# Altium PCB ACF_Out-v2.0.PcbDoc (part 1 of 2) (continued)
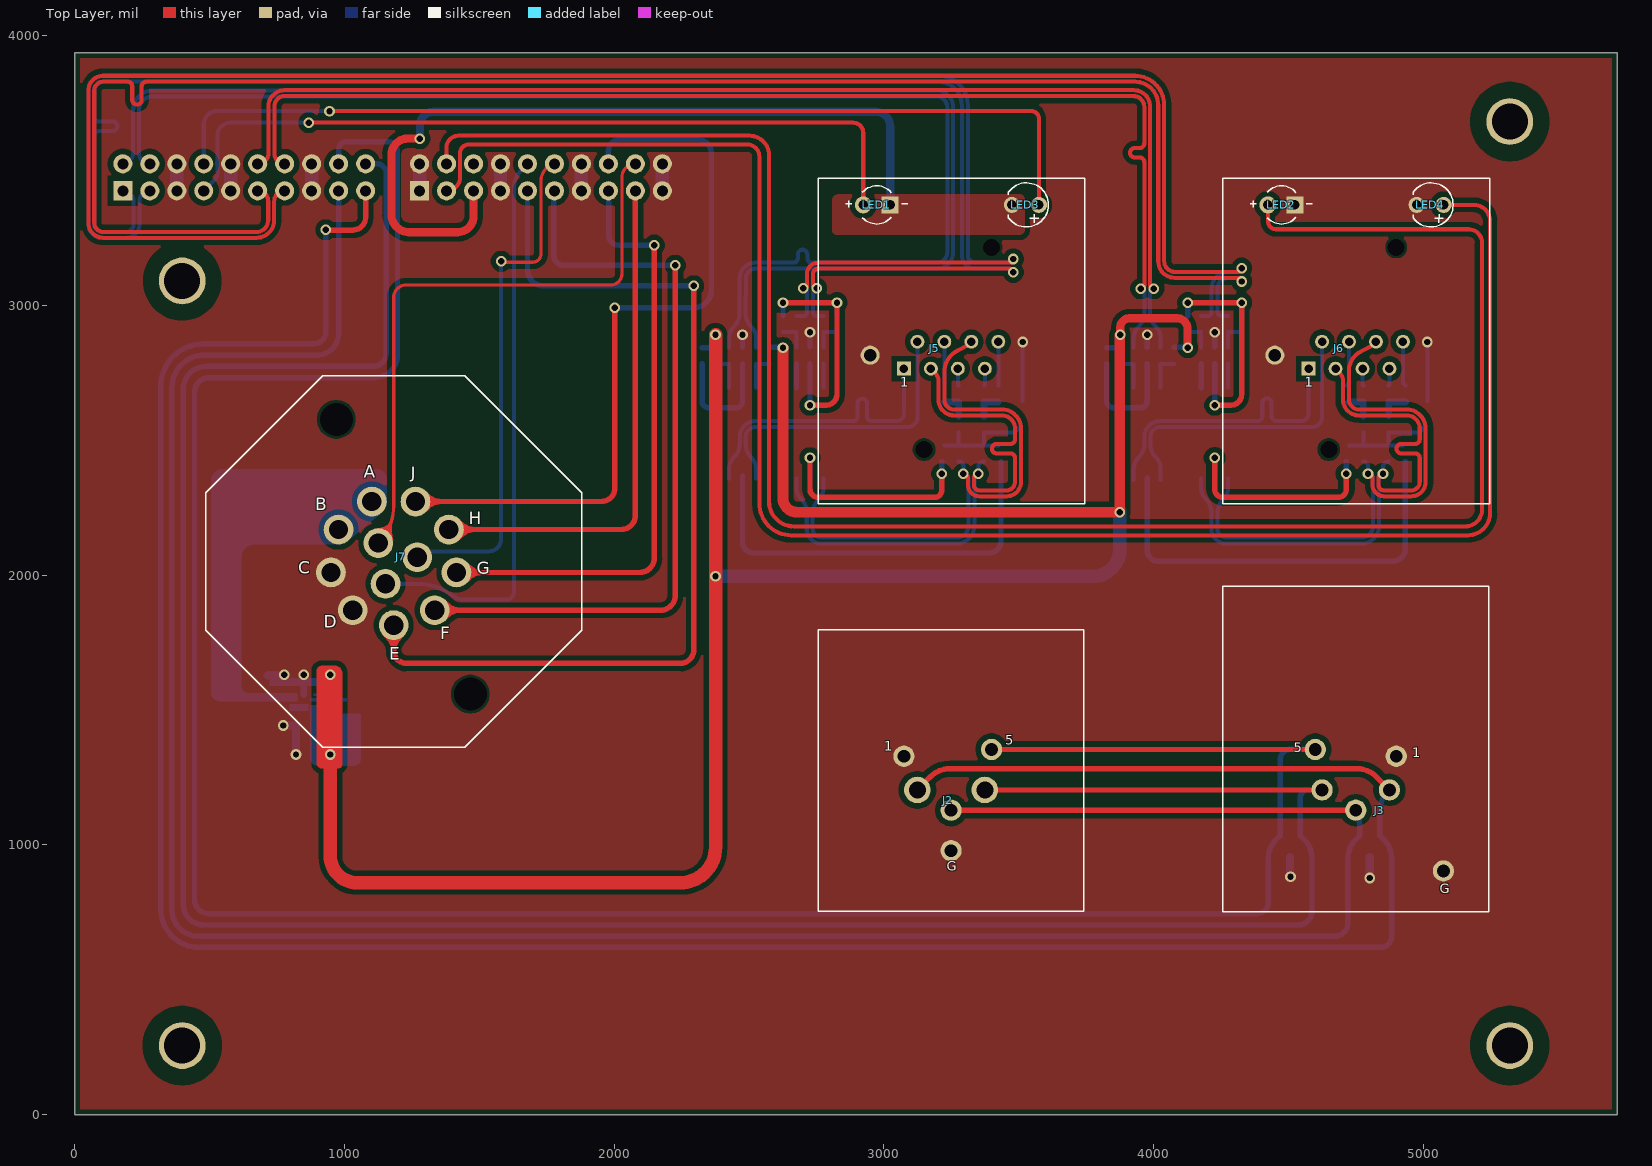
[diagram p0: Top Layer view]
## Part data (continued)
C6 C11: library part CC1206KKX7RCBB472, "CAP CER 4700PF 1KV X7R 1206", Case Code (Imperial)=1206, Case Code (Metric)=3216, Dielectric=X7R, Dielectric Material=Ceramic, LCSC Part Number=C107198, Manufacturer=Yageo, Max Operating Temperature=125°C, Min Operating Temperature=-55°C, Supplier Part Number 1=7130131, Tolerance=10%, Voltage Rating=1kV, Capacitance=4.7nF, Case/Package=1206, Category="Ceramic Capacitors", ComponentLink1Description=https://datasheet.ciiva.com/13208/upy-gp-np0-16v-to-50v-8-13208693.pdf?src-supplier=Mouser, ComponentLink1URL=https://datasheet.ciiva.com/13208/upy-gp-np0-16v-to-50v-8-13208693.pdf?src-supplier=Mouser, ComponentLink2Description=https://datasheet.ciiva.com/11466/hv-11466701.pdf?src-supplier=Avnet, ComponentLink2URL=https://datasheet.ciiva.com/11466/hv-11466701.pdf?src-supplier=Avnet, Depth=1.6mm, Item Type=Capacitor, Lead Free="Lead Free", Length=3.2mm, Manufacturer Part Number=CC1206KKX7RCBB472, Mount="Surface Mount", Number of Pins=2, Packaging="Tape and Reel", Pricing 1="3000=0.02860, 9000=0.02750, 15000=0.02700, 45000=0.02600, 75000=0.02510 (USD)", Radiation Hardening=No, Resistor Type=Ceramic, RoHS=Yes, RoHS Compliant=Yes, Series=CC, Stock 1=180000, Supplier 1="Future Electronics", Termination=SMD/SMT, Thickness=0.057inch, Voltage Rating (DC)=1kV, Weight=0.000571oz, Width=0.063inch
C7 C12: library part CC0603KRX7R0BB103, "CAP CER 10000PF 100V X7R 0603", Case Code (Imperial)=0603, Case Code (Metric)=1608, Dielectric=X7R, Dielectric Material=Ceramic, LCSC Part Number=C107059, Manufacturer=Yageo, Max Operating Temperature=125°C, Min Operating Temperature=-55°C, Package Quantity=4000, Tolerance=10%, Voltage Rating=100V, Case/Package=0603, ComponentLink1Description=https://datasheet.ciiva.com/8033/1669968-8033774.pdf?src-supplier=Element14, ComponentLink1URL=https://datasheet.ciiva.com/8033/1669968-8033774.pdf?src-supplier=Element14, ComponentLink2Description=https://datasheet.ciiva.com/13389/upy-gphc-x7r-6-3v-to-50v-8-13389353.pdf?src-supplier=Mouser, ComponentLink2URL=https://datasheet.ciiva.com/13389/upy-gphc-x7r-6-3v-to-50v-8-13389353.pdf?src-supplier=Mouser, ComponentLink3Description=https://datasheet.ciiva.com/17458/upy-np0x7r-mv-100-to-630v-9-17458073.pdf?src-supplier=Future+Electronics, ComponentLink3URL=https://datasheet.ciiva.com/17458/upy-np0x7r-mv-100-to-630v-9-17458073.pdf?src-supplier=Future+Electronics, ComponentLink4Description=https://datasheet.ciiva.com/26829/getdatasheetpartid-626135-26829418.pdf?src-supplier=Verical, ComponentLink4URL=https://datasheet.ciiva.com/26829/getdatasheetpartid-626135-26829418.pdf?src-supplier=Verical, Construction=Flat, Depth=0.8mm, Height=0.8mm, Item Type=Capacitor, Lead Free="Lead Free", Length=1.6mm, Manufacturer Part Number=CC0603KRX7R0BB103, Mounting Technology="Surface Mount", Packaging="Tape and Reel", Pricing="4000=0.0051, 16000=0.0048, 60000=0.0045, 160000=0.0043, 400000=0.0041 (USD)", Radiation Hardening=No, Reach SVHC Compliant=Unknown, RoHS=Yes, RoHS Compliant=Yes, Series=CC, Stock=788000, Supplier="Future Electronics", Termination=SMD/SMT, Thickness=0.035inch, Voltage Rating (DC)=100V, Width=0.031inch
D1 D2: "SOT-23 TVS ROHS", LCSC Part Number=C521963, Manufacturer="TECH PUBLIC", Package=SOT-23, ComponentLink1Description=LCSC, ComponentLink1URL=https://www.lcsc.com/product-detail/TVS_TECH-PUBLIC-SM712_C521963.html, Item Type=Diode, Manufacturer Part Number=SM712
J1 J4: "CONN RCPT 20POS 0.1 GOLD PCB R/A", Manufacturer=Samtec, ComponentLink1Description=ftp://ftp.samtec.com/webfiles/PDF/SSQ_TH.PDF?src-supplier=Avnet, ComponentLink1URL=ftp://ftp.samtec.com/webfiles/PDF/SSQ_TH.PDF?src-supplier=Avnet, ComponentLink2Description=https://datasheet.octopart.com/SSW-110-02-G-D-RA-N-Samtec-datasheet-160481827.pdf?src-supplier=Toby+Electronics, ComponentLink2URL=https://datasheet.octopart.com/SSW-110-02-G-D-RA-N-Samtec-datasheet-160481827.pdf?src-supplier=Toby+Electronics, ComponentLink3Description=https://datasheet.octopart.com/SSW-110-02-G-D-RA-N-Samtec-datasheet-118235309.pdf?src-supplier=Sager+Electronics, ComponentLink3URL=https://datasheet.octopart.com/SSW-110-02-G-D-RA-N-Samtec-datasheet-118235309.pdf?src-supplier=Sager+Electronics, ComponentLink4Description=https://datasheet.octopart.com/SSW-110-02-G-D-RA-N-Samtec-datasheet-184263327.pdf?src-supplier=Master+Electronics, ComponentLink4URL=https://datasheet.octopart.com/SSW-110-02-G-D-RA-N-Samtec-datasheet-184263327.pdf?src-supplier=Master+Electronics, Gender=30Gender, Item Type=Connectors, Manufacturer Part Number=SSW-110-02-G-D-RA-N, Pricing="1=3.59, 25=3.5052, 50=3.4236, 100=3.2605, 500=2.43324, 1000=2.11363, 2500=1.908 (USD)", RoHS=Yes, Stock=310, Supplier=Digikey
J2: "XLR Connectors 5P M RECEPT B SER PCBV PN 1 GRD SEP BK", Manufacturer=Neutrik, Supplier Part Number=568-NC5MBV-B, ComponentLink1Description=https://datasheet.ciiva.com/30093/nc5mbv-b-neutrik-30093926.pdf?src-supplier=Onlinecomponents.com, ComponentLink1URL=https://datasheet.ciiva.com/30093/nc5mbv-b-neutrik-30093926.pdf?src-supplier=Onlinecomponents.com, Item Type="Audio / Video Connectors", Manufacturer Part Number=NC5MBV-B, Pricing="1=8.81, 10=8.81, 50=8.81, 100=8.81, 1000=6.68, 10000=6.68 (USD)", RoHS=Yes, Stock=99, Supplier=Mouser
J3: "XLR Connectors 5P M RECEPT B SER PCBV PN 1 GRD SEP BK", Manufacturer=Neutrik, Supplier Part Number=568-NC5FBV-B, ComponentLink1Description=https://datasheet.ciiva.com/30205/nc5fbv-b-neutrik-30205399.pdf?src-supplier=Onlinecomponents.com, ComponentLink1URL=https://datasheet.ciiva.com/30205/nc5fbv-b-neutrik-30205399.pdf?src-supplier=Onlinecomponents.com, Item Type=Connectors, Manufacturer Part Number=NC5FBV-B, Pricing="1=8.46, 10=8.46, 50=8.46, 100=8.46, 1000=6.34, 10000=6.34 (USD)", RoHS=Yes, Stock=259, Supplier=Mouser
J5 J6: "Modular Connectors / Ethernet Connectors RECP CAT5e B series PCBV, 24mm FP to PCB", Manufacturer=Neutrik, Supplier Part Number=568-NE8FBV-C5-LED, ComponentLink1Description=http://www.alliedelec.com/images/products/datasheets/bm/NEUTRIK_PRODUCTS/70624710.pdf?src-supplier=Allied+Electronics, ComponentLink1URL=http://www.alliedelec.com/images/products/datasheets/bm/NEUTRIK_PRODUCTS/70624710.pdf?src-supplier=Allied+Electronics, ComponentLink2Description=http://www.farnell.com/datasheets/2040666.pdf?src-supplier=Element14, ComponentLink2URL=http://www.farnell.com/datasheets/2040666.pdf?src-supplier=Element14, ComponentLink3Description=https://datasheet.octopart.com/NE8FBV-C5-LED-Neutrik-datasheet-62313259.pdf?src-supplier=Newark, ComponentLink3URL=https://datasheet.octopart.com/NE8FBV-C5-LED-Neutrik-datasheet-62313259.pdf?src-supplier=Newark, Item Type="Modular / Ethernet Connectors", Manufacturer Part Number=NE8FBV-C5-LED, Pricing="1=12.51, 10=11.24, 50=11.24, 100=9.55, 1000=9.54, 10000=9.54 (USD)", RoHS=Yes, Stock=1959, Supplier=Mouser
J7: "CONN RCPT FMALE 12P GOLD SOLDER", Manufacturer="Amphenol Sine Systems", Supplier Part Number=889-RTS714ND12S0332-ND, Connector Type=5778ConnectorType, Gender=30Gender, Item Type="Circular Connectors", Manufacturer Part Number=RTS714ND12S0332, Number of Positions=19NUMBER, Pricing="1=37.04, 10=31.479, 25=29.5084, 50=28.1004, 100=26.7605, 300=24.76707 (USD)", RoHS=No, Stock=171, Supplier=Digikey
L1: library part VLS252012HBX-100M-1, "FIXED IND 10UH 1A 540 MOHM SMD", Case Code (Imperial)=1008, Case Code (Metric)=2520, Current Rating=1A, DC Resistance (DCR)=540mR, Inductance Tolerance=20%, LCSC Part Number=C88532, Manufacturer=TDK, Max Operating Temperature=105°C, Min Operating Temperature=-40°C, Resistor Type=Wirewound, Saturation Current=850mA, Test Frequency=1MHz, Case/Package=1008, Category="Fixed Inductors", ComponentLink1Description=http://www.farnell.com/datasheets/1866267.pdf?src-supplier=Farnell, ComponentLink1URL=http://www.farnell.com/datasheets/1866267.pdf?src-supplier=Farnell, ComponentLink2Description=http://www.farnell.com/datasheets/2608160.pdf?src-supplier=Farnell, ComponentLink2URL=http://www.farnell.com/datasheets/2608160.pdf?src-supplier=Farnell, ComponentLink3Description=http://www.farnell.com/datasheets/2130011.pdf?src-supplier=Element14, ComponentLink3URL=http://www.farnell.com/datasheets/2130011.pdf?src-supplier=Element14, ComponentLink4Description=http://www.farnell.com/datasheets/1866267.pdf?src-supplier=Newark, ComponentLink4URL=http://www.farnell.com/datasheets/1866267.pdf?src-supplier=Newark, ComponentLink5Description=https://product.tdk.com/info/en/catalog/datasheets/inductor_commercial_power_vls252012hbx-1_en.pdf?src-supplier=Digi-Key, ComponentLink5URL=https://product.tdk.com/info/en/catalog/datasheets/inductor_commercial_power_vls252012hbx-1_en.pdf?src-supplier=Digi-Key, ComponentLink6Description=https://product.tdk.com/info/en/catalog/datasheets/inductor_commercial_power_vls252012hbx-1_en.pdf?ref_disty=digikey&src-supplier=Digi-Key, ComponentLink6URL=https://product.tdk.com/info/en/catalog/datasheets/inductor_commercial_power_vls252012hbx-1_en.pdf?ref_disty=digikey&src-supplier=Digi-Key, Core Material=Metal, Height - Seated (Max)=0.047inch, Inductance=10uH, Item Type=Inductor, Length=0.098inch, Manufacturer Part Number=VLS252012HBX-100M-1, Mount="Surface Mount", Packaging="Cut Tape", Pricing 1="2000=0.12770, 24000=0.12640 (USD)", Reach SVHC Compliant=Yes, RMS Current (Irms)=1A, RoHS=Yes, RoHS Compliant=Yes, Series=VLS-HBX-1, Shielding=Shielded, Stock 1=10000, Supplier 1="Arrow Electronics", Supplier Part Number 1=VLS252012HBX-100M-1, Tolerance=20%, Width=0.079inch
LED1 LED2: library part NFD3401UGD, "515nm~525nm -30℃~+85℃ Emerald 30° 200mW Plugin,D=3mm Light Emitting Diodes (LED) ROHS", LCSC Part Number=C20618151, Manufacturer="Foshan NationStar Optoelectronics", Package=Plugin,D=3mm, ComponentLink1Description=LCSC, ComponentLink1URL=https://www.lcsc.com/product-detail/Light-Emitting-Diodes-LED_Foshan-NationStar-Optoelectronics-NFD3401URD_C20618148.html, Item Type=LED, Manufacturer Part Number=NFD3401UGD
LED3 LED4: library part NFD3401UYD, "585nm~595nm -30℃~+85℃ Yellow 30° 200mW Plugin,D=3mm Light Emitting Diodes (LED) ROHS", LCSC Part Number=C20618149, Manufacturer="Foshan NationStar Optoelectronics", Package=Plugin,D=3mm, ComponentLink1Description=LCSC, ComponentLink1URL=https://www.lcsc.com/product-detail/Light-Emitting-Diodes-LED_Foshan-NationStar-Optoelectronics-NFD3401UYD_C20618149.html, Item Type=LED, Manufacturer Part Number=NFD3401UYD
R1 R2 R3 R7 R8 R9 R11 R13 R14 R20 R21 R22 R26 R27 R28 R30 R32 R33: library part RC0603FR-0749R9L, "RES 49.9 OHM 1% 1/10W 0603", Case Code (Imperial)=0603, Case Code (Metric)=1608, LCSC Part Number=C114625, Manufacturer=Yageo, Max Operating Temperature=155°C, Max Power Dissipation=100mW, Min Operating Temperature=-55°C, Resistance Tolerance=1%, Resistor Type="Thick Film", Temperature Coefficient=100ppm/°C, Voltage Rating=50V, Case/Package=0603, Category="Chip SMD Resistors", ComponentLink1Description=https://datasheet.ciiva.com/11808/0900766b80f96399-11808223.pdf?src-supplier=RSComponents, ComponentLink1URL=https://datasheet.ciiva.com/11808/0900766b80f96399-11808223.pdf?src-supplier=RSComponents, ComponentLink2Description=https://datasheet.ciiva.com/22747/443971-22747527.pdf?src-supplier=Element14, ComponentLink2URL=https://datasheet.ciiva.com/22747/443971-22747527.pdf?src-supplier=Element14, ComponentLink3Description=https://datasheet.ciiva.com/15189/getdatasheetpartid-325421-15189750.pdf?src-supplier=Verical, ComponentLink3URL=https://datasheet.ciiva.com/15189/getdatasheetpartid-325421-15189750.pdf?src-supplier=Verical, Construction=Rectangular, Depth=0.8mm, Features="Moisture Resistant", Height=0.45mm, Item Type=Resistor, Lead Free="Lead Free", Length=1.6mm, Manufacturer Part Number=RC0603FR-0749R9L, Military Standard=Not, Number of Pins=2, Number of Terminations=2, Packaging="Tape and Reel", Power Rating=100mW, Pricing 1="5000=0.00280 (USD)", REACH SVHC="No SVHC", Resistance=49.9R, RoHS=Yes, RoHS Compliant=Yes, Series=RC, Size Code=0603, Stock 1=2075000, Supplier 1="Arrow Electronics", Supplier Part Number 1=RC0603FR-0749R9L, Technology="THICK FILM", Termination=SMD/SMT, Tolerance=1%, Voltage Rating (DC)=50V
R4 R6 R12 R15 R23 R25 R31 R34: library part RC0603FR-0733RL, "RES SMD 0603 33 Ohm 1% 1/10W", Case Code (Imperial)=0603, Case Code (Metric)=1608, LCSC Part Number=C108661, Manufacturer=Yageo, Max Operating Temperature=155°C, Max Power Dissipation=100mW, Min Operating Temperature=-55°C, Package Quantity=1, Resistance Tolerance=1%, Resistor Type="Thick Film", Supplier Part Number 1=311-33.0HRCT-ND, Temperature Coefficient=100ppm/°C, Voltage Rating=75V, Voltage Rating (DC)=50V, Case/Package=0603, Category="Chip SMD Resistors", ComponentLink1Description=https://datasheet.ciiva.com/11808/0900766b80f96399-11808741.pdf?src-supplier=RSComponents, ComponentLink1URL=https://datasheet.ciiva.com/11808/0900766b80f96399-11808741.pdf?src-supplier=RSComponents, ComponentLink2Description=https://datasheet.ciiva.com/2453/pyu-r-int-thick-7-2453952.pdf?src-supplier=Digi-Key, ComponentLink2URL=https://datasheet.ciiva.com/2453/pyu-r-int-thick-7-2453952.pdf?src-supplier=Digi-Key, ComponentLink3Description=https://datasheet.ciiva.com/2453/pyu-r-int-thick-7-2453953.pdf?src-supplier=Digi-Key, ComponentLink3URL=https://datasheet.ciiva.com/2453/pyu-r-int-thick-7-2453953.pdf?src-supplier=Digi-Key, ComponentLink4Description=https://datasheet.ciiva.com/2453/pyu-r-int-thick-7-2453954.pdf?src-supplier=Digi-Key, ComponentLink4URL=https://datasheet.ciiva.com/2453/pyu-r-int-thick-7-2453954.pdf?src-supplier=Digi-Key, ComponentLink5Description=https://datasheet.ciiva.com/7660/38590-7660792.pdf?src-supplier=Element14, ComponentLink5URL=https://datasheet.ciiva.com/7660/38590-7660792.pdf?src-supplier=Element14, ComponentLink6Description=https://datasheet.ciiva.com/15189/getdatasheetpartid-326673-15189708.pdf?src-supplier=Verical, ComponentLink6URL=https://datasheet.ciiva.com/15189/getdatasheetpartid-326673-15189708.pdf?src-supplier=Verical, ComponentLink7Description=https://datasheet.ciiva.com/7746/443971-7746334.pdf?src-supplier=Element14, ComponentLink7URL=https://datasheet.ciiva.com/7746/443971-7746334.pdf?src-supplier=Element14, ComponentLink8Description=https://datasheet.ciiva.com/7746/443971-7746335.pdf?src-supplier=Element14, ComponentLink8URL=https://datasheet.ciiva.com/7746/443971-7746335.pdf?src-supplier=Element14, ComponentLink9Description=https://datasheet.ciiva.com/46395/443971-46395007.pdf?src-supplier=Element14, ComponentLink9URL=https://datasheet.ciiva.com/46395/443971-46395007.pdf?src-supplier=Element14, Construction=Rectangular, Depth=0.8mm, Features="Moisture Resistant", Height=0.45mm, Item Type=Resistor, Lead Free="Lead Free", Lead Pitch=0.3mm, Length=1.6mm, Manufacturer Part Number=RC0603FR-0733RL, Military Standard=Not, Number of Pins=2, Number of Terminations=2, Packaging="Tape and Reel", Power Rating=100mW, Pricing 1="1=0.10000, 10=0.02400, 100=0.00970, 1000=0.00436, 2500=0.00378 (USD)", REACH SVHC="No SVHC", Resistance=33R, RoHS=Yes, RoHS Compliant=Yes, Series=RC, Size Code=0603, Stock 1=41, Supplier 1=Digi-Key, Technology="THICK FILM", Termination=SMD/SMT, Tolerance=1%, Weight=7.1E-05oz, Width=0.8mm
R5 R10 R16 R17 R24 R29 R35 R36: library part RC0603FR-0775RL, "RES 75 OHM 1% 1/10W 0603", Case Code (Imperial)=0603, Case Code (Metric)=1608, LCSC Part Number=C112309, Manufacturer=Yageo, Max Operating Temperature=155°C, Max Power Dissipation=100mW, Min Operating Temperature=-55°C, Package Quantity=1, Resistance Tolerance=1%, Resistor Type="Thick Film", Supplier Part Number=311-75.0HRCT-ND, Temperature Coefficient=100ppm/°C, Voltage Rating=50V, Case/Package=0603, Category="Chip SMD Resistors", Construction=Rectangular, Depth=0.8mm, Features="Moisture Resistant", Height=0.022inch, Item Type=Resistor, Lead Free=5697LeadFree, Length=0.063inch, Manufacturer Part Number=RC0603FR-0775RL, Military Standard=Not, Number of Terminations=2, Packaging="Tape and Reel", Power Rating=100mW, Pricing="1=0.1, 10=0.019, 50=0.0112, 100=0.0093, 500=0.00622, 1000=0.00532 (USD)", Reach SVHC Compliant=No, RoHS=Yes, RoHS Compliant=Yes, Series=RC, Stock=844005, Supplier=Digikey, Technology="THICK FILM", Termination=SMD/SMT, Tolerance=1%, Voltage Rating (DC)=50V, Width=0.031inch
R18 R19 R37 R38: library part RC0603FR-07150RL, "RES SMD 150OHM 1/10W 0603", Case Code (Imperial)=0603, Case Code (Metric)=1608, LCSC Part Number=C114608, Manufacturer=Yageo, Max Operating Temperature=155°C, Max Power Dissipation=100mW, Min Operating Temperature=-55°C, Package Quantity=5000, Resistance Tolerance=1%, Resistor Type="Thick Film", Supplier Part Number 1=311-150HRCT-ND, Temperature Coefficient=100ppm/°C, Voltage Rating=50V, Case/Package=0603, Category="Chip SMD Resistors", ComponentLink1Description=https://datasheet.ciiva.com/46412/443971-46412844.pdf?src-supplier=Element14, ComponentLink1URL=https://datasheet.ciiva.com/46412/443971-46412844.pdf?src-supplier=Element14, ComponentLink2Description=https://datasheet.ciiva.com/46440/1868787-46440893.pdf?src-supplier=Element14, ComponentLink2URL=https://datasheet.ciiva.com/46440/1868787-46440893.pdf?src-supplier=Element14, ComponentLink3Description=https://datasheet.ciiva.com/12555/rc0603-272842-12555301.pdf?src-supplier=Mouser, ComponentLink3URL=https://datasheet.ciiva.com/12555/rc0603-272842-12555301.pdf?src-supplier=Mouser, Construction=Rectangular, Depth=0.8mm, Features="Moisture Resistant", Height=0.45mm, Lead Free="Lead Free", Length=1.6mm, Manufacturer Part Number=RC0603FR-07150RL, Military Standard=Not, Number of Pins=2, Number of Terminations=2, Packaging="Tape and Reel", Power Rating=100mW, Pricing 1="1=0.10000, 10=0.02400, 100=0.00970, 1000=0.00436, 2500=0.00378 (USD)", REACH SVHC="No SVHC", Resistance=150R, RoHS=Yes, RoHS Compliant=Yes, Series=RC, Size Code=0603, Stock 1=263721, Supplier 1=Digi-Key, Termination=SMD/SMT, Tolerance=1%, Voltage Rating (DC)=50V, Width=0.8mm
T1 T2: "XFRMR MAGNETIC 1PORT 1:1 10/100", Case/Package=Module, DC Resistance (DCR)=650mR, Isolation Voltage=1.5kV, LCSC Part Number=C18584, Manufacturer=Pulse, Max Operating Temperature=70°C, Min Operating Temperature=0°C, Package Quantity=40, Category=Transformers, ComponentLink1Description=https://datasheet.ciiva.com/2938/10-100base-tsingleportsmdmagnetics-rev2008-2938779.pdf?src-supplier=Digikey, ComponentLink1URL=https://datasheet.ciiva.com/2938/10-100base-tsingleportsmdmagnetics-rev2008-2938779.pdf?src-supplier=Digikey, Depth=9.53mm, Height=6.09mm, Height - Seated (Max)=6.22mm, Insertion Loss=-1.1dB, Item Type="RJ45 Transformer", Lead Free="Lead Free", Lead/Base Style="Gull Wing", Length=12.7mm, Manufacturer Part Number=H1102NL, Mounting Technology="Surface Mount", Packaging=Rail/Tube, Pins=16, Pricing="1=3.05066, 10=2.98754, 30=2.92442, 50=2.8613, 100=2.79819, 250=2.73507, 500=2.68247 (USD)", Radiation Hardening=No, Return Loss=-11.5dB, RoHS=Yes, RoHS Compliant=Yes, Series=-, Shielding=Unshielded, Stock=500, Supplier=Avnet, Supplier Part Number=H1102NL, Termination=SMD/SMT, Turns Ratio=1:1, Weight=0.098767oz, Width=7.11mm
U1: "IC REG BUCK 3.3V 500MA 10WSON", LCSC Part Number=C91241, Manufacturer="Texas Instruments", ComponentLink1Description=https://datasheet.ciiva.com/12225/slvsb35-213378-12225446.pdf?src-supplier=Mouser, ComponentLink1URL=https://datasheet.ciiva.com/12225/slvsb35-213378-12225446.pdf?src-supplier=Mouser, ComponentLink2Description=https://datasheet.ciiva.com/15082/tps62177-15082070.pdf?src-supplier=Digikey, ComponentLink2URL=https://datasheet.ciiva.com/15082/tps62177-15082070.pdf?src-supplier=Digikey, Item Type=IC, Manufacturer Part Number=TPS62177DQCR, Pricing="1=1.38, 10=1.01, 50=0.912, 100=0.808, 1000=0.674, 10000=0.628 (USD)", RoHS=Yes, Stock=441, Supplier=Mouser

## Free pads (board coordinates)
  round 173.23 hole 133.86: MH1(399.02,255.91) MH1(399.02,3090.55) MH1(5320.28,255.91) MH1(5320.28,3681.1)

## Via types
v1: diameter 39.37, hole 23.62, Top Layer to Bottom Layer, tented both sides, 51 vias

## Nets (pads, with @x,y where several pads share a name; then routed paths per layer and width w, separated by ;. In a path a pad name is that pad's centre, name@x,y a point inside that pad or via, vN(x,y) a via of type N, cw(c..) or ccw(c..) an arc to the next point about the centre after c; other vN are vias at no path point)
3V3: C1.2 L1.2 R1.1 R2.1 R3.1 R20.1 R21.1 R22.1 U1.8 U1.10 | length 8832.7
  Top Layer w30: v1(3876.1,2890.45) 3876.1,2917.72 cw(c3910.38,2917.72) 3910.38,2952 4086.75,2952 cw(c4086.75,2912.65) 4126.1,2912.65 v1(4126.1,2842.89)
  Top Layer w40: v1(2626.1,2842.89) 2626.1,2284.98 ccw(c2678.1,2284.98) 2678.1,2232.98 v1(3874.67,2232.98) v1@3874.67,2889.02
  Top Layer w50: v1(948.1,1334.89) 948.1,959.72 ccw(c1048.1,959.72) 1048.1,859.72 2245.14,859.72 ccw(c2245.14,990.68) 2376.1,990.68 v1(2376.1,1995.33) v1(2376.1,2890.45)
  Bottom Layer w10: U1.8@889.1,1556.89 930.1,1556.89 ccw(c930.1,1574.89) 948.1,1574.89 v1(948.1,1630.89)
  Bottom Layer w20: R3.1@2326.1,2842.89 R1.1@2376.1,2842.89 v1(2376.1,2890.45) ; R2.1@2576.1,2843.89 v1@2625.1,2843.89 ; R22.1@3826.1,2842.89 R20.1@3876.1,2842.89 v1(3876.1,2890.45) ; R21.1@4076.1,2843.89 v1@4125.1,2843.89
  Bottom Layer w30: v1@2625.1,2843.89 v1(2626.1,2842.89)
  Bottom Layer w50: v1(2376.1,1995.33) 3774.67,1995.33 ccw(c3774.67,2095.33) 3874.67,2095.33 v1@3874.67,2236.57
24V: C2.2 J7.A J7.B U1.2 U1.3 | length 542.2
  Bottom Layer w20: 597.85,2168.9 J7.B@978.5,2168.9 978.55,2168.94 J7.A@1102.28,2272.76
A_CLOCK: J4.15 J7.G | length 2279.1
  Top Layer w20: J7.G@1415.71,2009.76 2095,2009.76 ccw(c2095,2063.86) 2149.1,2063.86 v1(2149.1,3223)
  Bottom Layer w20: J4.15@1978.96,3424.59 cw(c1978.96,3423.45) 1980.1,3423.45 1980.1,3259.27 ccw(c2016.37,3259.27) 2016.37,3223 v1(2149.1,3223)
A_DATA_1: J4.09 J7.E | length 3553.9
  Top Layer w20: J7.E@1183.07,1814.57 1183.07,1720.24 ccw(c1230.31,1720.24) 1230.31,1673 2245.1,1673 ccw(c2245.1,1723) 2295.1,1723 v1(2295.1,3072)
  Bottom Layer w20: J4.09@1678.96,3424.59 1678.96,3131.9 ccw(c1738.86,3131.9) 1738.86,3072 v1(2295.1,3072)
A_DATA_2: J4.10 J7.L | length 2109.2
  Bottom Layer w15: J7.L@1152.8,1967.56 1273.89,1967.56 cw(c1273.97,1762.61) 1391.6,1930.44 ccw(c1443.79,1982.63) 1397.95,1924.78 ccw(c1443.79,1982.63) 1443.79,1908.82 1599.48,1908.82 ccw(c1599.48,1938.44) 1629.1,1938.44 1629.1,3421.48 ccw(c1614.1,3421.48) 1629.08,3422.19 cw(c1678.96,3424.59) 1629.08,3426.98 ccw(c1614.1,3427.69) 1629.1,3427.69 1629.1,3433.31 cw(c1729.1,3433.31) 1658.39,3504.02 J4.10@1678.96,3524.59
A_DMX_A: D1.1 J1.17 J2.3 J3.3 | length 9569.3
  Top Layer w20: J2.3@3249.21,1128.54 J3.3@4749.21,1128.54
  Bottom Layer w20: J1.17@978.96,3424.59 978.96,2896.08 cw(c898.19,2896.08) 898.19,2815.31 480.72,2815.31 ccw(c480.72,2695.64) 361.05,2695.64 361.05,760.28 361.05,760.22 ccw(c459.79,760.22) 459.7,661.48 4671.12,661.48 ccw(c4671.12,710.47) 4720.1,710.47 4720.1,949.35 cw(c4820.1,949.35) 4744.49,1014.79 cw(c4820.1,949.35) 4749.39,1020.06 D1.1@4763.7,1034.37 ; J3.3@4749.21,1128.54 4754.96,1124.65 4762,1117.61 D1.1@4763.53,1042.48
A_DMX_B: D2.1 J1.18 J2.5 J3.5 | length 9705.1
  Top Layer w20: J2.5@3399.21,1353.54 J3.5@4599.21,1353.54
  Bottom Layer w20: J1.18@978.96,3524.59 978.96,3577.41 cw(c1008.55,3577.41) 1008.55,3607 1161.81,3607 cw(c1161.81,3571.78) 1197.03,3571.78 1197.03,2816.34 cw(c1112.69,2816.34) 1112.69,2732 499.27,2732 ccw(c499.27,2677.25) 465.23,2720.12 ccw(c499.27,2677.25) 456.4,2711.3 ccw(c499.27,2677.25) 444.53,2677.25 444.53,2676.94 444.53,795.5 444.53,795.44 ccw(c464.53,795.5) 444.59,793.94 444.59,793.88 ccw(c498.02,798.57) 497.74,744.94 497.84,744.94 4383.33,744.94 ccw(c4383.33,786.71) 4425.1,786.71 4425.1,949.35 cw(c4525.1,949.35) 4449.49,1014.79 cw(c4525.1,949.35) 4454.39,1020.06 D2.1@4468.7,1034.37 4468.7,1314.6 cw(c4509.1,1314.6) 4509.1,1355 4597.76,1355 cw(c4597.76,1353.54) J3.5@4599.21,1353.54
A_LATCH: J4.16 J7.J | length 2828.4
  Top Layer w20: J7.J@1263.86,2272.76 1953.05,2272.76 ccw(c1953.05,2322.81) 2003.1,2322.81 v1@2003.1,2996
  Bottom Layer w20: J4.16@1978.96,3524.59 1978.96,3570.98 cw(c2022.98,3570.98) 2022.98,3615 2308.1,3615 cw(c2308.1,3562) 2361.1,3562 2361.1,3057 cw(c2295.1,3057) 2295.1,2991 2008.1,2991 cw(c2008.1,2996) v1@2003.1,2996
  other v1: 2003.1,2991
A_RXI1_N: J5.6 R18.2 T1.9 | length 2185.7
  Top Layer w15: v1(3294.71,2375.73) cw(c3294.71,2359.04) 3311.4,2359.04 3311.4,2335 ccw(c3354.44,2335) 3354.44,2291.96 3454.49,2291.96 ccw(c3454.49,2345.94) 3508.47,2345.94 3508.47,2542.79 ccw(c3437.26,2542.79) 3437.26,2614 3260.47,2614 cw(c3260.47,2650.26) 3224.21,2650.26 3224.21,2751.98 cw(c3314.34,2751.98) 3272.07,2831.59 3318.53,2856.21 3322.76,2860.44 J5.6@3324.21,2865.16
  Bottom Layer w15: T1.9@2776.1,2358.89 2776.1,2323.58 cw(c2716.35,2323.58) 2758.6,2281.33 ccw(c2812.92,2227.01) 2736.1,2227.01 2736.1,2171.29 ccw(c2768.14,2171.29) 2768.14,2139.24 3270.67,2139.24 ccw(c3270.67,2181.79) 3313.21,2181.79 3313.21,2357.23 ccw(c3294.71,2357.23) v1(3294.71,2375.73) 3294.71,2403.5 ccw(c3277.21,2403.5) 3279.92,2420.79 ccw(c3277.21,2403.5) R18.2@3277.21,2421
A_RXI1_P: J5.3 R19.1 T1.11 | length 2192.7
  Top Layer w15: J5.3@3174.21,2765.16 3190.08,2749.29 cw(c3160.79,2720) 3202.21,2720 3202.21,2650.26 ccw(c3260.47,2650.26) 3260.47,2592 3437.26,2592 cw(c3437.26,2542.79) 3486.47,2542.79 ; v1(3350.09,2375.73) ccw(c3350.09,2359.04) 3333.4,2359.04 3333.4,2335 ccw(c3354.44,2335) 3354.44,2313.96 3454.49,2313.96 ccw(c3454.49,2345.94) 3486.47,2345.94 3486.47,2400.17 3486.47,2433.61 ccw(c3468.97,2433.61) 3468.97,2451.11 3417.98,2451.11 cw(c3417.98,2468.61) 3417.98,2486.11 3468.97,2486.11 ccw(c3468.97,2503.61) 3486.47,2503.61 3486.47,2542.79 ; 3486.36,2546.11 cw(c3437.26,2542.79) 3486.47,2542.79
  Bottom Layer w15: T1.11@2676.1,2358.89 2676.1,2323.58 ccw(c2735.85,2323.58) 2693.6,2281.33 cw(c2644.11,2231.84) 2694.09,2280.84 cw(c2645.77,2232.52) 2714.1,2232.52 2714.1,2171.29 ccw(c2768.14,2171.29) 2768.14,2117.24 3271.26,2117.24 ccw(c3271.26,2181.2) 3335.21,2181.2 3335.21,2360.86 cw(c3350.09,2360.86) v1(3350.09,2375.73) 3350.09,2399.87 cw(c3371.21,2399.87) R19.1@3371.21,2421
A_TXI1_N: J5.2 T1.14 | length 1122.8
  Bottom Layer w15: T1.14@2526.1,2357.89 2526.1,2393.2 ccw(c2466.35,2393.2) 2508.6,2435.45 cw(c2558.09,2484.94) 2508.12,2435.94 cw(c2558.09,2484.94) 2488.1,2484.94 2488.1,2512.8 cw(c2524.19,2512.8) 2524.19,2548.89 3088.57,2548.89 ccw(c3088.57,2584.53) 3124.21,2584.53 J5.2@3124.21,2865.16
A_TXI1_P: J5.1 T1.16 | length 1125.1
  Bottom Layer w15: T1.16@2426.1,2357.89 2426.1,2393.2 cw(c2485.85,2393.2) 2443.6,2435.45 ccw(c2389.28,2489.77) 2466.1,2489.77 2466.1,2512.8 cw(c2524.19,2512.8) 2524.19,2570.89 2877.67,2570.89 2885.17,2570.89 ccw(c2885.17,2588.39) 2902.67,2588.39 2902.67,2636.4 cw(c2920.17,2636.4) 2937.67,2636.4 2937.67,2588.39 ccw(c2955.17,2588.39) 2955.17,2570.89 3002.97,2570.89 3046.21,2570.89 ccw(c3046.21,2598.89) 3074.21,2598.89 J5.1@3074.21,2765.16
B_CLOCK: J4.17 J7.H | length 1924.4
  Top Layer w20: J7.H@1387.64,2168.9 2026.21,2168.9 ccw(c2026.21,2221.65) 2078.96,2221.65 J4.17@2078.96,3424.59
B_DATA_1: J4.11 J7.F | length 2859.4
  Top Layer w20: J7.F@1334.92,1869.84 2171.65,1869.84 ccw(c2171.65,1925.29) 2227.1,1925.29 v1(2227.1,3148)
  Bottom Layer w20: J4.11@1778.96,3424.59 ccw(c1778.96,3421.73) 1776.1,3421.73 1776.1,3186.22 ccw(c1814.33,3186.22) 1814.33,3148 v1(2227.1,3148)
B_DATA_2: J4.12 J7.M | length 1899.8
  Top Layer w12: v1(1581.1,3163) 1584.1,3160 1698.87,3160 ccw(c1698.87,3190.16) 1729.03,3190.16 1729.03,3461.46 cw(c1793.89,3461.46) J4.12@1778.96,3524.59
  Bottom Layer w15: J7.M@1270.28,2066.18 1277.92,2078.14 1282.17,2082.4 J7.M@1312.16,2089 ; J7.M@1312.16,2088 1535.5,2088 ccw(c1535.5,2133.6) 1581.1,2133.6 v1(1581.1,3163)
B_DMX_A: D1.2 J1.19 J2.2 J3.2 | length 10355.1
  Top Layer w20: v1@925.61,3280.27 926.88,3279 1031.1,3279 ccw(c1031.1,3327) 1079.1,3327 1079.1,3424.59 J1.19@1078.96,3424.59 ; J2.2@3124.21,1203.54 3173.36,1252.7 cw(c3244.08,1181.98) 3244.08,1281.98 4754.35,1281.98 cw(c4754.35,1181.98) 4825.06,1252.7 J3.2@4874.21,1203.54
  Bottom Layer w20: v1(931.61,3280.27) 931.61,2902.77 cw(c885.8,2902.77) 885.8,2856.96 478,2856.96 ccw(c478,2698.36) 319.4,2698.36 319.4,756.84 319.4,756.37 ccw(c462.52,762.95) 467.04,619.75 469.57,619.83 4841.15,619.83 ccw(c4841.15,660.78) 4882.1,660.78 4882.1,949.35 ccw(c4782.1,949.35) 4857.72,1014.79 ; D1.2@4852.81,1020.06 D1.2@4838.5,1034.37 4838.5,1126.41 cw(c4938.5,1126.41) 4843.17,1156.61 cw(c4938.5,1126.41) 4867.79,1197.12 J3.2@4874.21,1203.54
B_DMX_B: D2.2 J1.20 J2.4 J3.4 | length 9532.5
  Top Layer w20: J2.4@3374.21,1203.54 J3.4@4624.21,1203.54
  Bottom Layer w20: J1.20@1078.96,3524.59 1119.7,3524.59 cw(c1119.7,3489.15) 1155.13,3489.15 1155.13,2821.32 cw(c1107.46,2821.32) 1107.46,2773.65 488.45,2773.65 ccw(c488.45,2688.08) 402.87,2688.08 402.87,775.99 402.87,775.88 ccw(c422.87,775.99) 402.91,774.72 ccw(c479.77,780.07) 475.01,703.17 ccw(c476.19,723.14) 476.19,703.14 4535.91,703.14 4539.69,703.41 ccw(c4535.95,754.42) 4587.1,754.42 4587.1,949.35 ccw(c4487.1,949.35) 4562.72,1014.79 ; D2.2@4557.81,1020.06 D2.2@4543.5,1034.37 4543.5,1175.67 cw(c4571.37,1175.67) 4548.66,1191.82 cw(c4571.37,1175.67) 4555.22,1198.39 cw(c4571.37,1175.67) 4571.37,1203.54 J3.4@4624.21,1203.54
B_LATCH: J4.18 J7.K | length 2258.1
  Top Layer w12: J7.K@1126.14,2118.66 ccw(c988.7,2256.1) 1183.07,2256.1 1183.07,3029.55 cw(c1228.79,3029.55) 1228.79,3075.27 1987.27,3075.27 ccw(c1987.27,3117.1) 2029.1,3117.1 2029.1,3474.73 cw(c2078.96,3474.73) J4.18@2078.96,3524.59
B_RXI1_N: J6.6 R37.2 T2.9 | length 2186.9
  Top Layer w15: v1(4794.71,2375.73) cw(c4794.71,2359.04) 4811.4,2359.04 4811.4,2335 ccw(c4854.44,2335) 4854.44,2291.96 4954.49,2291.96 ccw(c4954.49,2345.94) 5008.47,2345.94 5008.47,2542.79 ccw(c4937.26,2542.79) 4937.26,2614 4760.47,2614 cw(c4760.47,2650.26) 4724.21,2650.26 4724.21,2757.6 cw(c4802.95,2757.84) 4766.01,2827.37 4818.17,2855.01 4822.4,2859.24 J6.6@4824.21,2865.16
  Bottom Layer w15: T2.9@4276.1,2358.89 4276.1,2323.58 cw(c4216.35,2323.58) 4258.6,2281.33 ccw(c4312.92,2227.01) 4236.1,2227.01 4236.1,2171.29 ccw(c4268.14,2171.29) 4268.14,2139.24 4770.67,2139.24 ccw(c4770.67,2181.79) 4813.21,2181.79 4813.21,2357.23 ccw(c4794.71,2357.23) v1(4794.71,2375.73) 4794.71,2403.5 ccw(c4777.21,2403.5) 4779.92,2420.79 ccw(c4777.21,2403.5) R37.2@4777.21,2421
B_RXI1_P: J6.3 R38.1 T2.11 | length 2189.3
  Top Layer w15: J6.3@4674.21,2765.16 4690.08,2749.29 cw(c4660.79,2720) 4702.21,2720 4702.21,2650.26 ccw(c4760.47,2650.26) 4760.47,2592 4937.26,2592 cw(c4937.26,2542.79) 4986.36,2546.11 cw(c4937.26,2542.79) 4986.47,2542.79 4986.47,2503.61 cw(c4968.97,2503.61) 4968.97,2486.11 4917.98,2486.11 ccw(c4917.98,2468.61) 4917.98,2451.11 4968.97,2451.11 cw(c4968.97,2433.61) 4986.47,2433.61 4986.47,2400.17 4986.47,2345.94 cw(c4954.49,2345.94) 4954.49,2313.96 4854.44,2313.96 cw(c4854.44,2335) 4833.4,2335 4833.4,2359.04 cw(c4850.09,2359.04) v1(4850.09,2375.73)
  Bottom Layer w15: T2.11@4176.1,2358.89 4176.1,2323.58 ccw(c4235.85,2323.58) 4193.6,2281.33 cw(c4144.11,2231.84) 4194.09,2280.84 cw(c4145.77,2232.52) 4214.1,2232.52 4214.1,2171.29 ccw(c4268.14,2171.29) 4268.14,2117.24 4771.26,2117.24 ccw(c4771.26,2181.2) 4835.21,2181.2 4835.21,2360.86 cw(c4850.09,2360.86) v1(4850.09,2375.73) 4850.09,2399.87 cw(c4871.21,2399.87) R38.1@4871.21,2421
B_TXI1_N: J6.2 T2.14 | length 1128.6
  Bottom Layer w15: T2.14@4026.1,2352 T2.14@4026.1,2358.89 4026.1,2393.2 ccw(c3966.35,2393.2) 4008.6,2435.45 cw(c4058.09,2484.94) 4008.12,2435.94 cw(c4058.09,2484.94) 3988.1,2484.94 3988.1,2512.8 cw(c4024.19,2512.8) 4024.19,2548.89 4588.57,2548.89 ccw(c4588.57,2584.53) 4624.21,2584.53 J6.2@4624.21,2865.16